# Allegro board BRD_05101_01_rev_b01_aa.brd (continued)
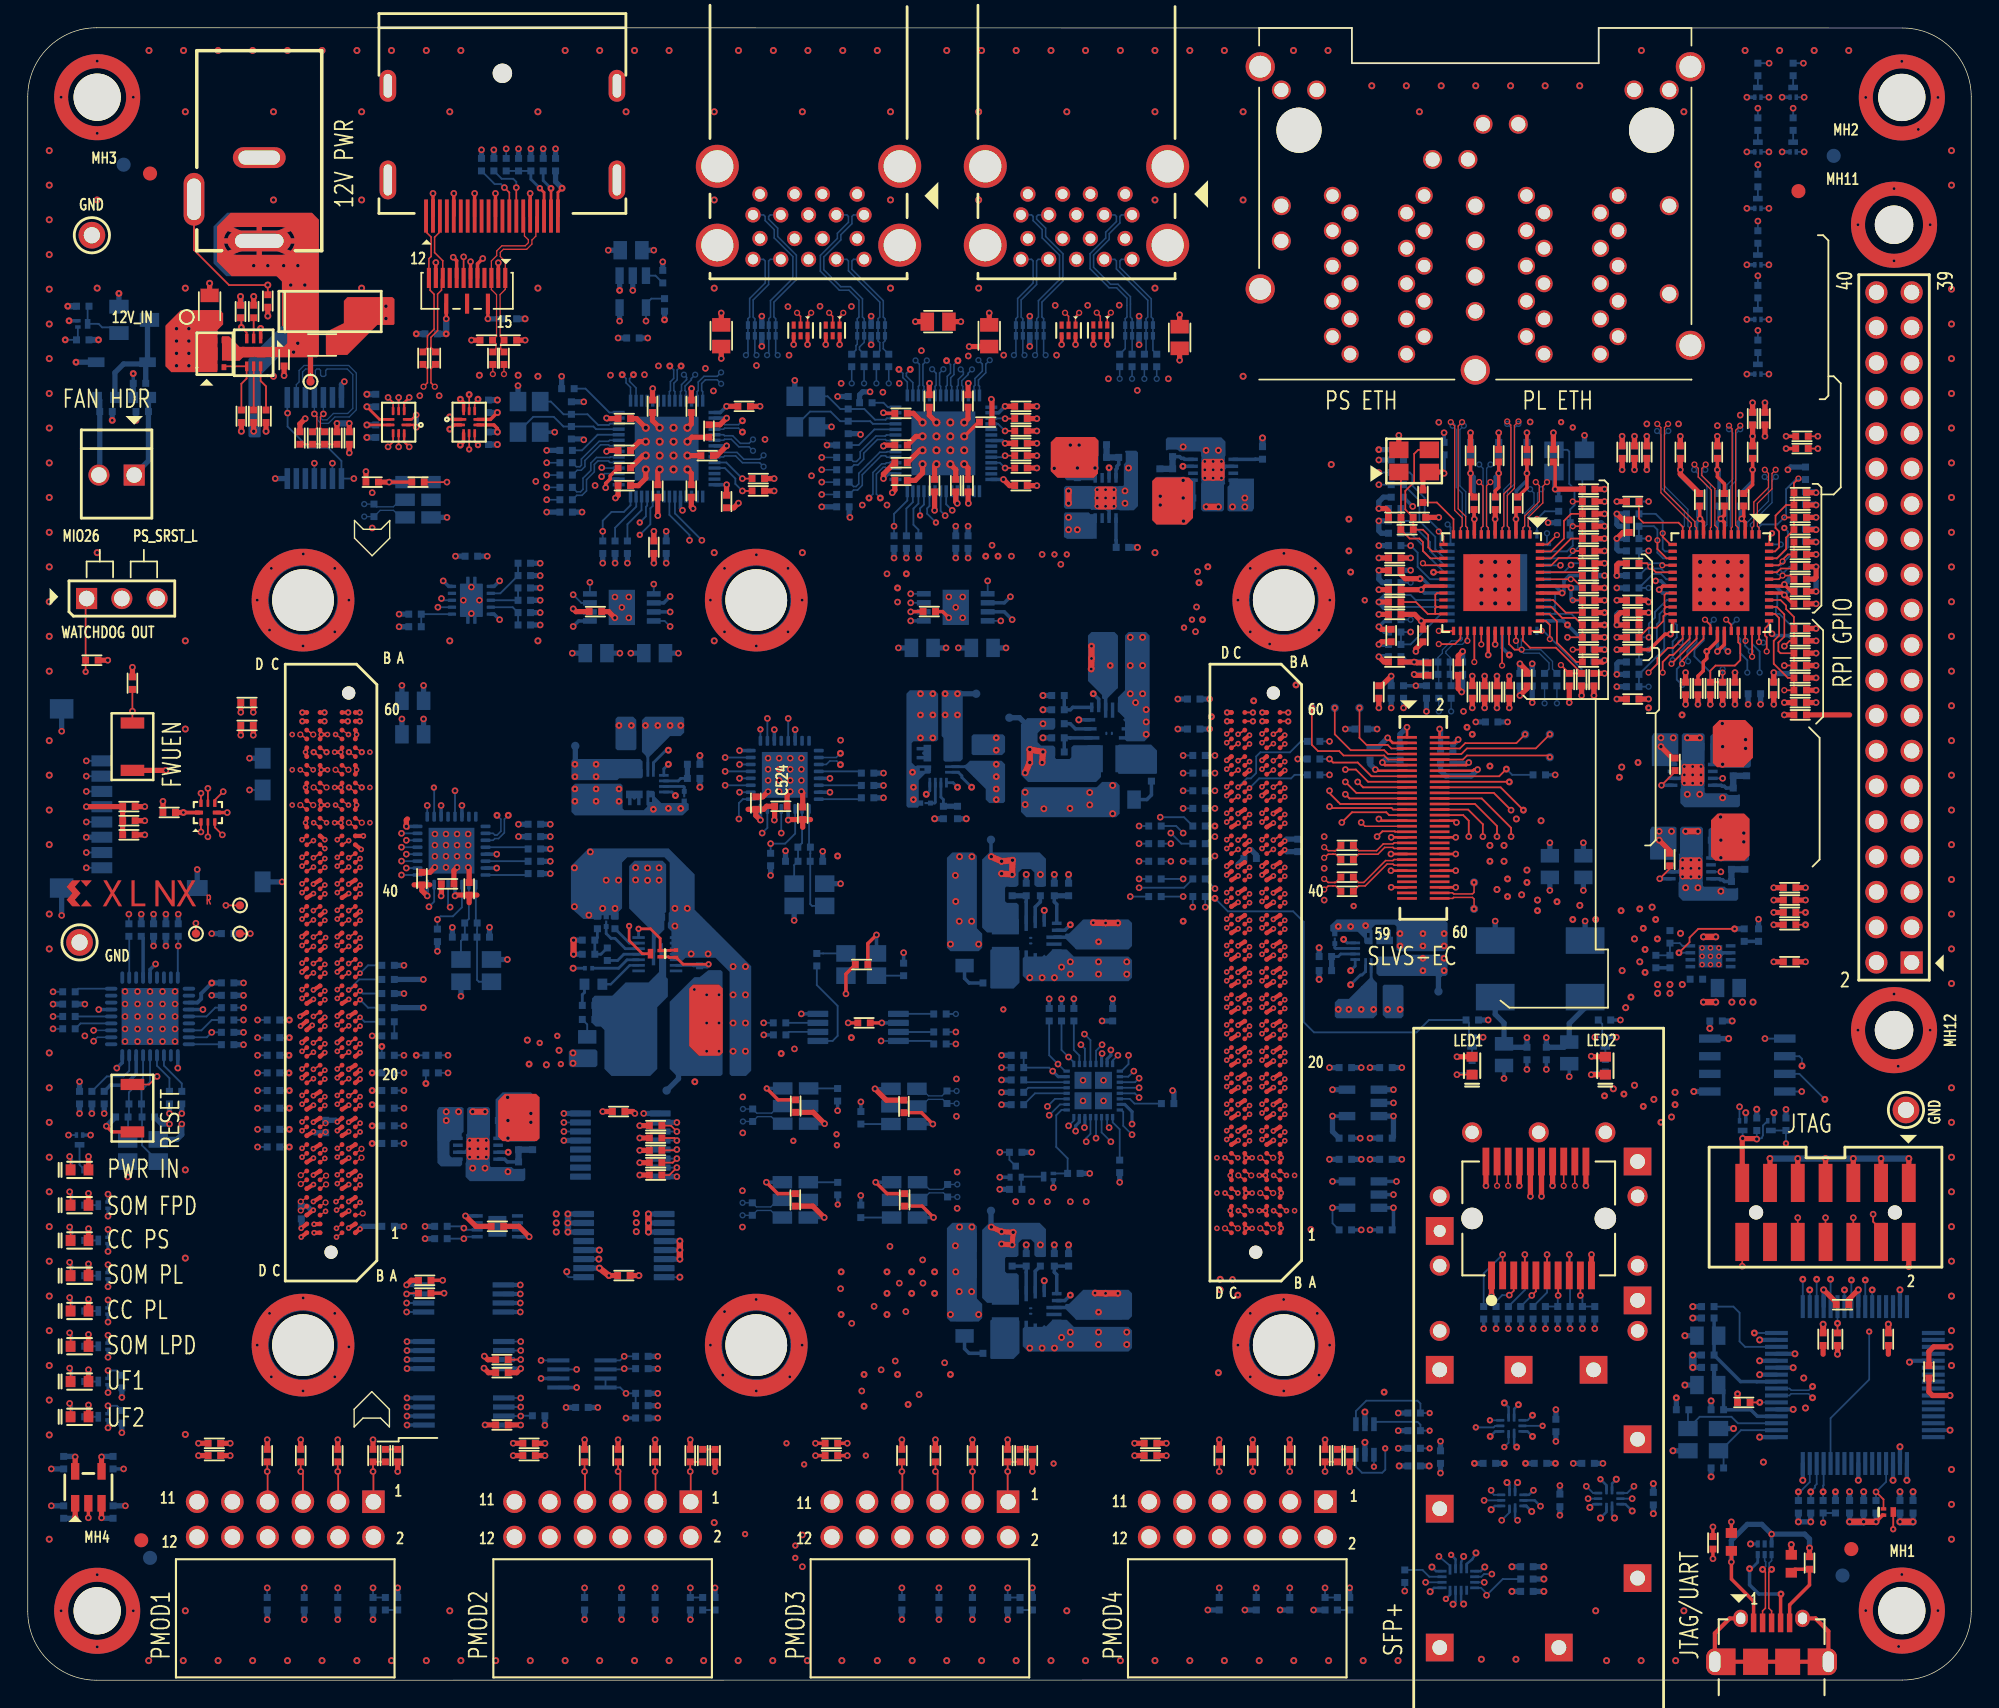
[diagram p0: board, top side]
## Routing (per net, layer and track width the routed paths; a pad name or vN(x,y) marks a point on that pad's centre or on a via; arc(x,y) is an arc through that point) (continued)
  BOTTOM w0.132: U79.28 123.22,75.12 123.36,74.98 123.36,73.96 123.87,73.45 v4(123.87,72.56)
HPA02N: length 180.2
  TOP w0.094: JA1.D5 v3(19.67,34.47)
  L03_SIG w0.102: v2(60.24,19.73) 50.59,19.73 44.93,25.4 38.45,25.4 37.89,25.95 25.83,25.95 22.37,29.41 20.82,29.41 18.67,31.57 18.67,33.91 19.23,34.47 v3(19.67,34.47)
  L12_SIG w0.102: v2(60.24,19.73) 60.24,19.1 62.72,16.62 74.09,16.62 75.17,15.54 95.68,15.54 97.58,17.45 99.49,17.45 100.76,18.72 101.14,18.72 106.35,23.92 109.65,23.92 110.66,24.94 110.66,25.83 111.3,26.46 113.08,26.46 114.98,28.37 116.92,28.37 126.16,37.61 126.16,39.36 127.17,40.38 127.17,42.3 127,42.47 126.48,42.47 126.3,42.65 126.3,42.91 126.48,43.08 127,43.08 127.17,43.26 127.17,45.64 127.55,46.02 127.55,57.56 128.32,58.32 128.32,64.59 128.5,64.76 129.59,64.76 129.76,64.94 129.76,65.2 129.59,65.37 128.5,65.37 128.32,65.55 128.32,65.81 128.5,65.98 129.59,65.98 129.76,66.16 129.76,66.42 129.59,66.59 128.5,66.59 128.32,66.77 128.32,67.02 128.5,67.2 129.59,67.2 129.76,67.38 129.76,67.63 129.59,67.81 128.5,67.81 128.32,67.99 128.32,68.24 128.5,68.42 129.59,68.42 129.76,68.6 129.76,68.85 129.59,69.03 128.5,69.03 128.32,69.21 128.32,71.93 125.42,74.82 125.11,74.82 v4(125.01,74.72)
  BOTTOM w0.132: v4(125.01,74.72) 124.72,75.02 U79.25
HPA02P: length 182
  TOP w0.094: JA1.D4 v3(19.67,33.83)
  L03_SIG w0.102: v2(62.66,22.02) 61.67,23.01 58.8,23.01 56.16,20.37 50.85,20.37 45.23,25.98 39.14,25.98 35.86,29.26 23.41,29.26 22.86,29.82 21.08,29.82 19.22,31.67 19.22,33.39 v3(19.67,33.83)
  L12_SIG w0.102: v4(124.76,72.56) 124.76,71.93 125.32,71.37 125.32,69.72 126.28,68.75 126.28,68.28 126.08,68.08 125.66,68.08 125.46,67.87 125.46,67.54 125.66,67.34 126.08,67.34 126.28,67.14 126.28,66.81 126.08,66.6 125.66,66.6 125.46,66.4 125.46,66.07 125.66,65.87 126.08,65.87 126.28,65.67 126.28,65.33 126.08,65.13 125.66,65.13 125.46,64.93 125.46,64.6 125.66,64.4 126.08,64.4 126.28,64.19 126.28,63.86 126.08,63.66 125.66,63.66 125.46,63.46 125.46,63.13 125.66,62.92 126.08,62.92 126.28,62.72 126.28,62.39 126.08,62.19 125.66,62.19 125.46,61.98 125.46,61.65 125.66,61.45 126.08,61.45 126.28,61.25 126.28,59.23 125.14,58.09 125.14,48.56 123.36,46.78 123.36,43.73 121.84,42.21 121.84,37 116.2,31.36 114.3,31.36 112.06,29.13 108.89,29.13 106.85,27.1 104.57,27.1 103.42,25.95 103.42,24.81 102.79,24.18 100.25,24.18 94.03,17.95 92.37,17.95 92.19,17.77 92.19,17.47 92.01,17.29 91.76,17.29 91.58,17.47 91.58,17.77 91.4,17.95 89.82,17.95 89.64,17.77 89.64,17.45 89.46,17.27 89.21,17.27 89.03,17.45 89.03,17.77 88.85,17.95 87.64,17.95 87.46,17.77 87.46,17.47 87.28,17.29 87.03,17.29 86.85,17.47 86.85,17.77 86.67,17.95 85.77,17.95 83.74,19.99 83.48,19.99 83.3,19.81 83.3,19.55 83.12,19.38 82.87,19.38 82.69,19.55 82.69,19.81 82.51,19.99 82.26,19.99 82.08,19.81 82.08,19.55 81.9,19.38 81.65,19.38 81.47,19.55 81.47,19.81 81.29,19.99 81.04,19.99 80.86,19.81 80.86,19.55 80.69,19.38 80.43,19.38 80.25,19.55 80.25,19.81 80.08,19.99 79.82,19.99 79.64,19.81 79.64,19.55 79.47,19.38 79.21,19.38 79.03,19.55 79.03,19.81 78.86,19.99 78.6,19.99 78.43,19.81 78.43,19.55 78.25,19.38 77.99,19.38 77.82,19.55 77.82,19.81 77.64,19.99 77.38,19.99 77.21,19.81 77.21,19.55 77.03,19.38 76.78,19.38 76.6,19.55 76.6,19.81 76.42,19.99 76.17,19.99 75.99,19.81 75.99,19.55 75.81,19.38 75.56,19.38 75.38,19.55 75.38,19.81 75.2,19.99 74.95,19.99 74.77,19.81 74.77,19.55 74.59,19.38 74.34,19.38 74.16,19.55 74.16,19.81 73.98,19.99 68.85,19.99 68.67,19.81 68.67,19.65 68.57,19.55 68.16,19.55 68.06,19.65 68.06,19.81 67.88,19.99 67.63,19.99 67.45,19.81 67.45,19.55 67.27,19.38 67.02,19.38 66.84,19.55 66.84,19.81 66.66,19.99 66.41,19.99 66.23,19.81 66.23,19.55 66.05,19.38 65.8,19.38 65.62,19.55 65.62,19.81 64.4,21.03 63.59,21.03 63.05,20.48 62.8,20.48 62.62,20.66 62.62,20.91 63.06,21.36 63.06,21.61 v2(62.66,22.02)
  BOTTOM w0.132: U79.26 124.22,74.63 124.76,74.09 v4(124.76,72.56)
HPA03N: length 181.2
  TOP w0.094: JA1.C7 v3(21.49,36.34)
  L03_SIG w0.102: v2(61.9,29.41) 58.49,32.81 52.54,32.81 52,33.35 50.65,33.35 50.11,32.81 46.15,32.81 44.88,31.54 42.97,31.54 39.49,35.02 27.17,35.02 24.99,37.21 21.92,37.21 21.49,36.77 v3(21.49,36.34)
  L12_SIG w0.102: v4(126.16,79.79) 125.38,79.02 124.94,79.02 124.76,79.19 124.76,79.34 124.58,79.52 124.33,79.52 124.15,79.34 124.15,79.19 123.97,79.02 120.27,79.02 119.07,77.82 119.07,76.65 117.52,75.1 117.52,74.34 116.25,73.07 116.25,69.01 112.06,64.82 112.06,61.13 112.76,60.44 112.76,58.87 112.56,58.67 112.14,58.67 111.93,58.46 111.93,58.13 112.14,57.93 112.56,57.93 112.76,57.73 112.76,55.74 113.58,54.91 113.58,53.65 113.16,53.22 112.4,53.22 111.25,54.38 111,54.38 110.82,54.2 110.82,53.95 111.97,52.79 111.97,52.54 111.8,52.36 111.54,52.36 110.39,53.52 110.13,53.52 109.95,53.34 109.95,53.08 111.11,51.93 111.11,51.68 110.93,51.5 110.68,51.5 109.52,52.65 109.27,52.65 109.09,52.48 109.09,52.22 110.25,51.07 110.25,50.81 109.71,50.27 109.42,50.27 109.07,50.63 108.93,50.63 108.66,50.36 108.66,50.21 109.03,49.84 109.03,49.59 106.85,47.42 106.85,45.96 107.83,44.98 107.83,44.75 107.45,44.37 107.3,44.37 106.08,45.59 105.79,45.59 105.56,45.36 105.56,45.07 106.29,44.34 106.29,44.06 106.05,43.82 105.77,43.82 105.04,44.55 104.75,44.55 104.52,44.32 104.52,44.03 104.86,43.68 104.86,43.4 103.17,41.7 102.28,41.7 97.14,36.56 97.14,35.2 97.04,35.1 96.41,35.1 96.31,35.2 96.31,36.62 96.06,36.88 95.68,36.88 95.42,36.62 95.42,33.45 93.14,31.16 92.65,31.16 92.48,30.98 92.48,30.04 92.3,29.87 92.04,29.87 91.87,30.04 91.87,30.98 91.69,31.16 91.44,31.16 91.26,30.98 91.26,30.04 91.08,29.87 90.83,29.87 90.65,30.04 90.65,30.98 90.47,31.16 90.22,31.16 88.95,29.89 86.73,29.89 86.49,30.13 86.49,30.78 86.31,30.96 86.06,30.96 85.88,30.78 85.88,30.13 85.71,29.95 69.84,29.95 69.19,30.6 68.47,30.6 68.29,30.78 68.29,31.24 68.12,31.42 67.86,31.42 67.68,31.24 67.68,30.78 67.51,30.6 65.7,30.6 65.52,30.78 65.52,31.14 65.34,31.31 65.09,31.31 64.91,31.14 64.91,30.84 64.81,30.73 64.4,30.73 64.3,30.84 64.3,31.14 64.12,31.31 63.87,31.31 63.69,31.14 63.69,30.78 63.52,30.6 63.09,30.6 v2(61.9,29.41)
  BOTTOM w0.132: R353.2 126.92,80.18 126.53,79.79 v4(126.16,79.79) U79.17
HPA03P: length 180.1
  TOP w0.094: JA1.C6 v3(21.49,35.7)
  L03_SIG w0.102: v3(21.49,35.7) 21.49,35.24 21.66,35.07 22.7,35.07 22.91,34.86 24.29,34.86 27.86,31.29 37,31.29 37.77,30.53 38.53,30.53 40.56,28.49 47.54,28.49 49.7,30.65 57.35,30.65 v2(58.59,29.41)
  L12_SIG w0.102: v4(127.17,81.07) 126.54,80.44 124.58,80.44 124.2,80.06 120.14,80.06 118.2,78.12 118.2,77.51 118.49,77.21 118.49,76.96 118.31,76.78 118.06,76.78 117.77,77.08 117.51,77.08 117.34,76.9 117.34,76.51 115.62,74.79 115.62,69.26 111.3,64.94 111.3,59.99 111.1,59.79 109.85,59.79 109.65,59.58 109.65,59.25 109.85,59.05 111.1,59.05 111.3,58.85 111.3,58.52 111.1,58.31 109.85,58.31 109.65,58.11 109.65,57.78 109.85,57.58 111.1,57.58 111.3,57.37 111.3,55.55 108.5,52.75 108.5,51.43 106.09,49.02 106.09,46.78 103.87,44.56 103.87,43.42 103.04,42.59 101.11,42.59 100.44,43.26 100.16,43.26 98.88,41.99 98.88,41.7 99.8,40.78 99.8,40.49 98.82,39.51 98.53,39.51 97.55,40.49 97.26,40.49 97.03,40.26 97.03,39.97 98.01,38.99 98.01,38.7 97.58,38.27 95.68,38.27 94.66,37.26 94.66,33.7 93.98,33.02 93.69,33.02 92.58,34.13 92.3,34.13 92.06,33.9 92.06,33.61 93.17,32.5 93.17,32.21 92.88,31.92 86.15,31.92 85.01,30.78 83.79,30.78 83.61,30.96 83.61,32.05 83.43,32.23 83.18,32.23 83,32.05 83,30.96 82.82,30.78 82.57,30.78 82.39,30.96 82.39,32.05 82.21,32.23 81.96,32.23 81.78,32.05 81.78,30.96 81.6,30.78 81.35,30.78 81.17,30.96 81.17,32.05 80.99,32.23 80.74,32.23 80.56,32.05 80.56,30.96 80.38,30.78 80.13,30.78 79.95,30.96 79.95,32.05 79.77,32.23 79.52,32.23 79.34,32.05 79.34,30.96 79.17,30.78 78.91,30.78 78.73,30.96 78.73,32.05 78.56,32.23 78.3,32.23 78.12,32.05 78.12,30.96 77.95,30.78 77.69,30.78 77.51,30.96 77.51,32.05 77.34,32.23 77.08,32.23 76.91,32.05 76.91,30.96 76.73,30.78 70.11,30.78 69.09,31.8 60.98,31.8 v2(58.59,29.41)
  BOTTOM w0.132: v4(127.17,81.07) 127.05,81.07 126.26,80.29 U79.16
HPA04N: length 179.7
  TOP w0.094: JA1.B5 v1(22.21,34.47)
  L10_SIG w0.102: v2(69.01,80.95) 67.9,79.83 66.24,79.83 64.91,78.5 64.91,74.69 62.25,72.02 62.25,59.71 53.8,51.26 53.8,46.47 53.13,45.8 53.13,44.86 52.01,43.75 52.01,38.64 48.95,35.58 38.2,35.58 33.4,30.78 27.61,30.78 24.94,33.45 24.94,33.96 23.92,34.97 22.71,34.97 v1(22.21,34.47)
  L12_SIG w0.102: v2(69.01,80.95) 70.74,79.22 82.57,79.22 85.57,82.22 100,82.22 100.76,81.45 110.79,81.45 112.01,82.67 114.78,82.67 115.24,82.22 v5(116.76,82.22) 118.67,84.12 125.2,84.12 127.81,86.73 127.81,109.9 v5(127.97,110.06)
  BOTTOM w0.132: U79.46 117.8,80.79 117.39,81.2 117.39,82.85 117.14,83.1 R358.2 R367.1 v5(116.76,82.22) ; Q27.1 v5(127.97,110.06)
HPA04P: length 166.9
  TOP w0.094: JA1.B4 v1(22.25,33.86)
  L10_SIG w0.102: v1(22.25,33.86) 22.91,33.19 24.3,33.19 27.22,30.27 33.65,30.27 38.45,35.07 49.46,35.07 52.72,38.33 52.72,43.71 53.77,44.76 53.77,45.55 54.54,46.32 54.54,51.24 62.78,59.48 62.78,71.8 65.45,74.47 65.45,78.28 66.47,79.29 68.25,79.29 v2(69.9,80.95)
  L12_SIG w0.102: v2(69.9,80.95) 71.04,79.8 82.22,79.8 85.29,82.88 100.6,82.88 101.49,81.99 110.57,81.99 112.14,83.56 115.31,83.56 116.63,84.88 v5(116.76,84.88) 116.89,84.76 125.12,84.76 127.3,86.94 127.3,96.12 v5(125.43,97.99)
  BOTTOM w0.132: U79.47 117.94,81.29 117.78,81.45 117.78,83.49 117.27,83.99 R359.2 R368.1 v5(116.76,84.88) ; Q28.1 v5(125.43,97.99)
HPA05_CCN: length 72
  TOP w0.094: JA1.B2 v1(22.24,32.55)
  L03_SIG w0.102: v2(54.28,45.13) 54.66,44.75 55.67,44.75 56.18,45.26 57.58,45.26 58.39,44.45 62.71,44.45 62.95,44.69 68.74,44.69 69.57,45.51 75.23,45.51 76.63,44.12 79.42,44.12 v5(79.68,43.86)
  L10_SIG w0.102: v1(22.24,32.55) 25.02,29.76 37.56,29.76 42.38,34.59 49.82,34.59 53.77,38.54 53.77,42.64 54.28,43.15 v2(54.28,45.13)
  BOTTOM w0.132: v5(79.68,43.86) 79.28,43.46 U19.2
HPA05_CCP: length 135.7
  TOP w0.094: JA1.B1 v1(22.24,31.91)
  L03_SIG w0.102: v5(116.76,81.33) 114.98,81.33 114.52,80.87 113,80.87 112.19,80.06 112.19,73.07 110.47,71.36 110.47,68.25 108.5,66.28 108.5,65.2 104.57,61.26 91.74,61.26 91.41,60.93 89.51,60.93 89.33,60.75 89.33,53.89 88.95,53.51 86.15,53.51 79.68,47.04 68.02,47.04 67.92,47.14 65.17,47.14 64.7,46.67 59.72,46.67 v2(59.33,46.27)
  L10_SIG w0.102: v1(22.24,31.91) 24.89,29.26 37.77,29.26 42.59,34.08 52.5,34.08 56.31,37.89 56.31,43.48 59.1,46.27 v2(59.33,46.27)
  BOTTOM w0.132: U79.45 117.92,80.29 117.78,80.44 R357.2 R366.1 v5(116.76,81.33)
HPA06N: length 186.4
  TOP w0.094: JA1.A4 v1(23.94,34.4)
  L03_SIG w0.102: v2(61.9,26.34) 59.49,26.34 57.72,28.1 57.72,28.35 57.96,28.59 57.96,28.85 57.78,29.02 57.53,29.02 57.29,28.78 57.04,28.78 56.86,28.96 56.86,29.22 57.1,29.46 57.1,29.71 56.92,29.89 56.67,29.89 56.43,29.65 56.18,29.65 55.81,30.02 49.96,30.02 47.8,27.86 39.67,27.86 36.75,30.78 27.56,30.78 v1(23.94,34.4)
  L12_SIG w0.102: v4(122.09,72.82) 123.49,71.42 123.49,68.88 124.25,68.12 124.25,60.01 123.42,59.17 123.42,51.54 121.14,49.26 121.14,47.73 120.44,47.04 120.44,45.81 120.62,45.63 121.33,45.63 121.51,45.45 121.51,45.2 121.33,45.02 120.62,45.02 120.44,44.84 120.44,44.59 120.62,44.41 121.33,44.41 121.51,44.23 121.51,43.98 121.33,43.8 120.62,43.8 120.44,43.62 120.44,39.54 116.89,35.99 113.64,35.99 113.37,36.25 113.09,36.25 112.85,36.02 112.85,35.73 113.33,35.26 113.33,34.97 112.8,34.44 112.51,34.44 111.97,34.98 111.69,34.98 111.45,34.74 111.45,34.46 111.99,33.92 111.99,33.63 111.76,33.4 111.47,33.4 110.93,33.94 110.64,33.94 110.41,33.7 110.41,33.41 111.55,32.27 111.55,31.99 111.32,31.75 111.03,31.75 109.14,33.64 108.85,33.64 108.62,33.41 108.62,33.12 109.91,31.84 109.91,31.55 109.65,31.29 109.27,31.29 108.18,32.37 107.94,32.37 107.23,31.67 107.23,30.4 105.77,28.94 104.25,28.94 102.41,27.1 101.01,27.1 93.14,19.22 87.17,19.22 86.6,19.79 86.35,19.79 86.06,19.5 85.81,19.5 85.63,19.67 85.63,19.93 85.92,20.22 85.92,20.47 85.74,20.65 85.49,20.65 85.2,20.36 84.94,20.36 84.76,20.54 84.76,20.79 85.06,21.08 85.06,21.33 84.86,21.53 83.31,21.53 83.13,21.36 83.13,21.18 82.96,21 82.7,21 82.52,21.18 82.52,21.36 82.35,21.53 82.09,21.53 81.92,21.36 81.92,21.18 81.74,21 81.48,21 81.31,21.18 81.31,21.36 81.13,21.53 80.87,21.53 80.7,21.36 80.7,21.18 80.52,21 80.27,21 80.09,21.18 80.09,21.36 79.91,21.53 79.66,21.53 79.48,21.36 79.48,21.18 79.3,21 79.05,21 78.87,21.18 78.87,21.36 78.69,21.53 78.44,21.53 78.26,21.36 78.26,21.18 78.08,21 77.83,21 77.65,21.18 77.65,21.36 77.47,21.53 77.22,21.53 77.04,21.36 77.04,21.18 76.86,21 76.61,21 76.43,21.18 76.43,21.36 76.25,21.53 76,21.53 75.82,21.36 75.82,21.18 75.64,21 75.39,21 75.21,21.18 75.21,21.36 75.03,21.53 74.78,21.53 74.6,21.36 74.6,21.18 74.42,21 74.17,21 73.99,21.18 73.99,21.36 73.81,21.53 73.56,21.53 73.38,21.36 73.38,21.18 73.16,20.96 72.99,20.96 72.77,21.18 72.77,21.36 72.59,21.53 72.34,21.53 72.16,21.36 72.16,21.18 71.98,21 71.73,21 71.55,21.18 71.55,21.36 71.37,21.53 71.12,21.53 70.94,21.36 70.94,21.18 70.76,21 70.51,21 70.33,21.18 70.33,21.36 70.15,21.53 69.9,21.53 69.72,21.36 69.72,21.18 69.54,21 69.29,21 69.11,21.18 69.11,21.36 68.94,21.53 68.68,21.53 68.5,21.36 68.5,21.18 68.33,21 68.07,21 67.89,21.18 67.89,21.36 67.72,21.53 67.46,21.53 67.28,21.36 67.28,21.18 67.11,21 66.85,21 66.68,21.18 66.68,21.36 66.5,21.53 65.68,21.53 62.78,24.43 62.53,24.43 62.27,24.17 62.02,24.17 61.84,24.35 61.84,24.6 62.1,24.86 62.1,25.12 61.9,25.32 v2(61.9,26.34)
  BOTTOM w0.132: U79.33 120.72,74.87 120.06,74.21 120.06,73.74 121.2,72.59 R362.2 R372.1 v4(122.09,72.82)
HPA06P_CLK: length 185.8
  TOP w0.094: JA1.A3 v3(24.13,33.62)
  L03_SIG w0.102: v3(24.13,33.62) 27.48,30.27 36.5,30.27 39.54,27.22 48.43,27.22 50.47,29.26 55.67,29.26 v2(58.59,26.34)
  L12_SIG w0.102: v4(123.11,76.37) 123.42,76.06 123.42,75.57 123.25,75.39 121.93,75.39 121.75,75.22 121.75,74.96 121.93,74.78 123.25,74.78 123.42,74.61 123.42,73.88 123.25,73.71 122.84,73.71 122.67,73.53 122.67,73.27 122.84,73.1 123.25,73.1 123.42,72.92 123.42,72.25 124.35,71.32 124.35,69.17 124.89,68.64 124.89,60.84 125.07,60.66 125.51,60.66 125.69,60.48 125.69,60.23 125.51,60.05 125.07,60.05 124.89,59.87 124.89,59.36 124.13,58.59 124.13,50.85 123.88,50.6 123.88,50.35 124.42,49.8 124.42,49.55 124.24,49.37 123.99,49.37 123.45,49.92 123.19,49.92 122.09,48.81 122.09,45.42 122.27,45.24 122.55,45.24 122.72,45.07 122.72,44.81 122.55,44.63 122.27,44.63 122.09,44.46 122.09,43.73 121.08,42.72 121.08,37.04 120.63,36.6 120.38,36.6 119.63,37.34 119.38,37.34 119.2,37.16 119.2,36.91 119.95,36.17 119.95,35.91 119.77,35.74 119.52,35.74 118.77,36.48 118.52,36.48 118.34,36.3 118.34,36.05 119.09,35.3 119.09,35.05 118.91,34.87 118.65,34.87 117.91,35.62 117.66,35.62 117.48,35.44 117.48,35.19 118.22,34.44 118.22,34.19 118.05,34.02 117.8,34.02 117.47,34.35 117.22,34.35 117.04,34.17 117.04,33.92 117.37,33.59 117.37,33.34 116.95,32.92 116.67,32.92 115.89,33.69 115.61,33.69 115.37,33.46 115.37,33.17 116.14,32.4 116.14,32.11 115.98,31.95 112.31,31.95 111.93,31.57 111.93,30.27 111.43,29.76 109.23,29.76 109.05,29.94 109.05,30.35 108.87,30.53 108.62,30.53 108.44,30.35 108.44,29.94 108.26,29.76 107.87,29.76 107.57,29.46 107.57,29.21 107.77,29 107.77,28.75 107.59,28.57 107.34,28.57 107.13,28.78 106.88,28.78 106.35,28.24 104.69,28.24 102.85,26.4 101.33,26.4 93.52,18.59 86,18.59 84.1,20.49 65.83,20.49 62.78,23.54 61.39,23.54 60.57,24.36 60.31,24.36 58.85,22.9 58.55,22.9 58.42,23.03 58.42,23.33 59.88,24.79 59.88,25.05 59.7,25.22 59.45,25.22 57.99,23.76 57.74,23.76 57.56,23.94 57.56,24.19 58.59,25.23 v2(58.59,26.34)
  BOTTOM w0.132: v4(123.11,76.37) 122.72,75.98 U79.29
HPA07N: length 185.9
  TOP w0.094: JA1.B8 v1(22.3,36.4)
  L03_SIG w0.102: v1(22.3,36.4) 22.3,36.77 22.45,36.92 24.39,36.92 26.87,34.44 39.19,34.44 42.97,30.65 45,30.65 46.41,32.06 58.33,32.06 61.64,28.75 61.9,28.75 62.78,27.86 v2(63.67,27.86)
  L12_SIG w0.102: v4(119.17,71.67) 119.88,70.96 119.88,69.31 120.01,69.19 120.01,67.56 118.92,66.47 118.92,60.37 118.41,59.86 118.41,51.86 116,49.45 116,48.51 116.2,48.31 117.32,48.31 117.52,48.11 117.52,47.78 117.32,47.58 115.57,47.58 115.36,47.37 115.36,47.04 115.57,46.84 117.32,46.84 117.52,46.64 117.52,46.31 117.32,46.1 116.2,46.1 116,45.9 116,45.13 115.7,44.84 115.42,44.84 114.56,45.69 114.27,45.69 114.04,45.46 114.04,45.17 114.77,44.44 114.77,43.91 108.77,37.9 108.48,37.9 107.69,38.69 107.4,38.69 107.17,38.46 107.17,38.17 107.96,37.38 107.96,37.09 107.73,36.86 107.44,36.86 106.65,37.65 106.36,37.65 106.13,37.42 106.13,37.13 106.92,36.34 106.92,36.05 105.71,34.84 103.42,34.84 102.28,33.7 100.76,33.7 99.87,32.81 99.87,31.16 98.19,29.48 98.19,29.23 99.15,28.26 99.15,28.01 98.98,27.83 98.72,27.83 97.76,28.8 97.5,28.8 97.33,28.62 97.33,28.37 98.29,27.4 98.29,27.15 98.11,26.97 97.86,26.97 96.89,27.93 96.64,27.93 96.57,27.86 95.98,27.86 95.8,27.68 95.8,25.98 95.63,25.8 95.37,25.8 95.19,25.98 95.19,27.68 95.02,27.86 94.76,27.86 94.58,27.68 94.58,25.98 94.41,25.8 94.15,25.8 93.98,25.98 93.98,27.68 93.8,27.86 88.69,27.86 86.66,25.83 85.44,25.83 85.24,25.62 85.24,23.74 85.04,23.54 84.71,23.54 84.5,23.74 84.5,25.62 84.3,25.83 83.97,25.83 83.77,25.62 83.77,23.74 83.56,23.54 83.23,23.54 83.03,23.74 83.03,25.62 82.83,25.83 82.5,25.83 82.29,25.62 82.29,23.74 82.09,23.54 81.76,23.54 81.56,23.74 81.56,25.62 81.35,25.83 80.78,25.83 80.6,25.65 80.6,25.17 80.42,24.99 80.17,24.99 79.99,25.17 79.99,25.65 79.81,25.83 76.37,25.83 75.74,26.46 74.47,26.46 73.29,25.28 72.09,25.28 71.91,25.1 71.91,24.56 71.73,24.38 71.48,24.38 71.3,24.56 71.3,25.1 71.12,25.28 66.25,25.28 v2(63.67,27.86)
  BOTTOM w0.132: v4(119.17,71.67) 118.79,72.06 118.79,72.82 119.05,73.07 119.05,74.09 119.72,74.76 U79.35
HPA07P: length 186.4
  TOP w0.094: JA1.B7 v1(22.3,35.76)
  L03_SIG w0.102: v2(61.9,27.86) 61.13,27.86 57.73,31.26 48.53,31.26 47.16,29.89 42.92,29.89 41.4,31.42 40.43,31.42 40.05,31.03 37.87,31.03 35.05,33.85 26.54,33.85 25.23,35.16 23.09,35.16 22.49,35.76 v1(22.3,35.76)
  L12_SIG w0.102: v4(119.6,73.38) 120.39,73.38 120.75,73.02 120.75,69.85 121.2,69.39 121.2,55.23 119.93,53.96 119.93,49.83 118.16,48.05 118.16,44.37 114.73,40.94 113.58,40.94 112.92,40.28 112.67,40.28 112.53,40.42 112.28,40.42 112.1,40.24 112.1,39.99 112.24,39.85 112.24,39.6 110.42,37.78 110.42,37.53 110.66,37.29 110.66,37.04 110.48,36.86 110.23,36.86 109.99,37.09 109.74,37.09 103.68,31.03 100.88,31.03 99.74,29.89 99.74,27.61 98.25,26.11 97.99,26.11 96.89,27.22 96.63,27.22 96.46,27.04 96.46,26.79 97.56,25.68 97.56,25.43 97.08,24.95 96.83,24.95 96.33,25.44 96.08,25.44 95.9,25.26 95.9,25.01 96.4,24.51 96.4,24.26 96.22,24.08 95.97,24.08 95.47,24.58 95.22,24.58 95.04,24.4 95.04,24.15 95.54,23.65 95.54,23.4 92.5,20.37 88.57,20.37 87.12,21.81 87.12,22.06 87.45,22.39 87.45,22.65 87.28,22.82 87.02,22.82 86.69,22.49 86.44,22.49 86.15,22.78 81.03,22.78 80.83,22.98 80.83,24.1 80.63,24.3 80.3,24.3 80.09,24.1 80.09,22.98 79.89,22.78 78.75,22.78 78.54,22.98 78.54,24.99 78.34,25.19 78.01,25.19 77.81,24.99 77.81,22.98 77.6,22.78 76.64,22.78 76.44,22.98 76.44,24.99 76.23,25.19 75.9,25.19 75.7,24.99 75.7,22.98 75.5,22.78 74.47,22.78 74.3,22.96 74.3,23.21 74.12,23.39 73.86,23.39 73.69,23.21 73.69,22.96 73.51,22.78 73.26,22.78 73.08,22.96 73.08,23.21 72.9,23.39 72.65,23.39 72.47,23.21 72.47,22.96 72.29,22.78 72.04,22.78 71.86,22.96 71.86,23.21 71.68,23.39 71.43,23.39 71.25,23.21 71.25,22.96 71.07,22.78 70.46,22.78 70.36,22.88 70.36,24.48 70.15,24.68 69.82,24.68 69.62,24.48 69.62,23.62 69.42,23.41 69.09,23.41 68.88,23.62 68.88,24.48 68.68,24.68 68.35,24.68 68.15,24.48 68.15,22.79 67.94,22.59 67.61,22.59 67.41,22.79 67.41,24.48 67.21,24.68 66.88,24.68 66.67,24.48 66.67,23.62 66.47,23.41 65.45,23.41 65.2,23.67 65.2,24.08 65.67,24.56 65.67,24.85 65.44,25.08 65.15,25.08 64.36,24.29 64.07,24.29 63.84,24.52 63.84,24.81 64.63,25.6 64.63,25.89 64.4,26.12 64.11,26.12 63.32,25.33 63.03,25.33 62.78,25.57 62.78,26.97 v2(61.9,27.86)
  BOTTOM w0.132: U79.34 120.22,74.75 119.55,74.09 119.55,73.43 v4(119.6,73.38)
HPA08N: length 185.6
  TOP w0.094: JA1.C10 v1(21.4,38.21)
  L03_SIG w0.102: v2(65.32,29.41) 64.45,29.41 63.65,30.21 63.65,30.57 63.78,30.7 63.78,30.95 63.6,31.13 63.35,31.13 63.22,31 62.97,31 62.79,31.18 62.79,31.46 58.77,35.48 54.3,35.48 53.53,34.72 42.15,34.72 41.66,35.21 41.66,35.47 42.05,35.87 42.05,36.12 41.88,36.3 41.62,36.3 41.22,35.9 40.97,35.9 40.68,36.19 40.3,36.19 40.12,36.37 40.12,36.72 39.94,36.9 39.69,36.9 39.51,36.72 39.51,36.37 39.33,36.19 39.08,36.19 38.9,36.37 38.9,36.72 38.72,36.9 38.47,36.9 38.29,36.72 38.29,36.37 38.11,36.19 37.86,36.19 37.68,36.37 37.68,36.72 37.5,36.9 37.25,36.9 37.07,36.72 37.07,36.37 36.89,36.19 36.64,36.19 36.46,36.37 36.46,37.43 36.28,37.61 36.03,37.61 35.85,37.43 35.85,36.37 35.67,36.19 31.13,36.19 30.95,36.37 30.95,37 30.77,37.18 30.52,37.18 30.34,37 30.34,36.37 30.16,36.19 27.91,36.19 24.81,39.29 24.3,39.29 23.97,38.96 21.66,38.96 21.4,38.7 v1(21.4,38.21)
  L12_SIG w0.102: v2(65.32,29.41) 65.93,30.02 67.23,30.02 67.41,29.84 67.41,29.54 67.59,29.36 67.84,29.36 68.02,29.54 68.02,29.84 68.2,30.02 68.63,30.02 69.26,29.38 94.03,29.38 94.41,29.76 94.41,30.13 94.23,30.31 93.72,30.31 93.54,30.48 93.54,30.74 93.72,30.92 94.23,30.92 94.41,31.09 94.41,31.42 95.93,32.94 97.46,32.94 97.71,33.19 97.71,33.54 97.51,33.74 96.26,33.74 96.06,33.95 96.06,34.28 96.26,34.48 97.51,34.48 97.71,34.68 97.71,35.99 98.34,36.62 99.11,36.62 100,37.52 100,37.8 99.78,38.02 99.78,38.31 100.01,38.54 100.3,38.54 100.52,38.32 100.81,38.32 101.04,38.56 101.04,38.84 100.82,39.07 100.82,39.35 101.05,39.59 101.34,39.59 101.56,39.37 101.85,39.37 102.08,39.6 102.08,39.89 101.86,40.11 101.86,40.39 102.1,40.63 102.38,40.63 102.6,40.41 102.96,40.41 103.14,40.59 103.14,41.17 103.32,41.35 103.57,41.35 103.75,41.17 103.75,40.59 103.93,40.41 104.18,40.41 104.36,40.59 104.36,41.17 104.54,41.35 104.79,41.35 104.97,41.17 104.97,40.59 105.15,40.41 105.56,40.41 105.58,40.43 106.09,40.43 106.27,40.61 106.27,40.87 104.79,42.35 104.79,42.56 104.96,42.73 105.27,42.73 106.7,41.3 106.96,41.3 107.14,41.48 107.14,41.73 106.74,42.12 106.74,42.38 106.92,42.55 107.17,42.55 107.57,42.16 107.82,42.16 108,42.34 108,42.59 107.6,42.99 107.6,43.24 107.78,43.42 108.03,43.42 108.43,43.02 108.68,43.02 108.89,43.23 108.89,44.37 109.01,44.5 110.37,44.5 110.48,44.6 110.48,45.05 110.37,45.16 108.45,45.16 108.25,45.36 108.25,45.69 108.63,46.08 108.63,46.66 108.76,46.78 109.9,46.78 110.16,47.04 110.16,47.44 109.95,47.64 109.33,47.64 109.23,47.74 109.23,48.28 109.33,48.38 109.95,48.38 110.16,48.58 110.16,49.58 112.7,52.12 113.97,52.12 114.22,52.37 114.22,55.9 114.02,56.1 113.53,56.1 113.33,56.3 113.33,56.63 113.53,56.84 114.02,56.84 114.22,57.04 114.22,57.37 114.02,57.57 113.53,57.57 113.33,57.78 113.33,58.11 113.53,58.31 114.02,58.31 114.22,58.51 114.22,58.84 114.02,59.05 113.53,59.05 113.33,59.25 113.33,59.58 113.53,59.78 114.02,59.78 114.22,59.99 114.22,60.32 114.02,60.52 113.53,60.52 113.33,60.72 113.33,61.05 113.53,61.26 114.09,61.26 114.29,61.45 114.29,61.93 114.15,62.07 112.9,62.07 112.7,62.27 112.7,62.6 112.9,62.81 113.93,62.81 114.13,63.01 114.13,63.34 113.93,63.54 112.9,63.54 112.7,63.75 112.7,64.08 112.9,64.28 113.62,64.28 113.83,64.48 113.83,65.77 117.27,69.21 117.27,71.04 v4(116.76,71.55)
  BOTTOM w0.132: v4(116.76,71.55) R369.1 R360.2 117.89,74.25 117.89,76.59 118.08,76.79 U79.38
HPA08P: length 184.9
  TOP w0.094: JA1.C9 v1(21.4,37.58)
  L03_SIG w0.102: v1(21.4,37.58) 21.85,38.03 21.85,38.55 22,38.69 24.22,38.69 24.91,37.99 25.09,37.99 27.48,35.61 40.18,35.61 41.73,34.05 42.43,34.05 42.61,33.87 42.61,32.58 42.79,32.41 43.04,32.41 43.22,32.58 43.22,33.87 43.4,34.05 46.55,34.05 46.73,33.87 46.73,33.6 46.91,33.42 47.16,33.42 47.34,33.6 47.34,33.87 47.52,34.05 47.77,34.05 47.95,33.87 47.95,33.6 48.13,33.42 48.38,33.42 48.56,33.6 48.56,33.87 48.74,34.05 48.99,34.05 49.17,33.87 49.17,33.6 49.35,33.42 49.6,33.42 49.78,33.6 49.78,33.87 49.96,34.05 52.65,34.05 52.83,33.87 52.83,33.6 53,33.42 53.26,33.42 53.44,33.6 53.44,33.87 53.61,34.05 53.87,34.05 54.05,33.87 54.05,33.6 54.22,33.42 54.48,33.42 54.65,33.6 54.65,33.87 54.83,34.05 55.09,34.05 55.26,33.87 55.26,33.6 55.44,33.42 55.7,33.42 55.87,33.6 55.87,33.87 56.05,34.05 56.6,34.05 56.78,34.23 56.78,34.46 56.96,34.64 57.21,34.64 57.39,34.46 57.39,34.23 57.95,33.67 59.41,33.67 59.95,33.13 59.95,32.88 59.69,32.63 59.69,32.37 59.87,32.2 60.12,32.2 60.38,32.45 60.63,32.45 60.81,32.27 60.81,32.02 60.56,31.76 60.56,31.51 60.73,31.33 60.99,31.33 61.24,31.59 61.49,31.59 61.67,31.41 61.67,31.16 61.42,30.9 61.42,30.65 61.6,30.47 61.85,30.47 62.1,30.73 62.36,30.73 v2(63.67,29.41)
  L12_SIG w0.102: v2(63.67,29.41) 64.49,29.41 64.98,28.91 68.37,28.91 68.54,28.75 72.31,28.75 72.94,28.11 73.96,28.11 74.54,28.69 79.11,28.69 79.31,28.49 79.31,27.3 79.51,27.1 79.84,27.1 80.05,27.3 80.05,28.49 80.25,28.69 80.58,28.69 80.78,28.49 80.78,27.3 80.99,27.1 81.32,27.1 81.52,27.3 81.52,28.49 81.72,28.69 82.05,28.69 82.26,28.49 82.26,27.3 82.46,27.1 82.79,27.1 82.99,27.3 82.99,28.49 83.2,28.69 83.53,28.69 83.73,28.49 83.73,27.3 83.93,27.1 84.26,27.1 84.47,27.3 84.47,28.49 84.67,28.69 85,28.69 85.2,28.49 85.2,27.3 85.41,27.1 86.28,27.1 86.53,27.35 86.53,27.99 87.42,28.88 94.53,28.88 94.99,29.33 95.27,29.33 95.49,29.11 95.78,29.11 96.01,29.34 96.01,29.63 95.16,30.48 95.16,30.77 95.39,31 95.68,31 96.54,30.15 96.82,30.15 97.06,30.38 97.06,30.67 96.84,30.89 96.84,31.18 98.47,32.81 98.47,33.32 99.61,34.46 99.61,36.11 100.5,37 101.21,37 101.38,37.18 101.38,38.07 101.56,38.25 101.82,38.25 101.99,38.07 101.99,37.18 102.17,37 102.43,37 102.6,37.18 102.6,38.21 102.78,38.38 103.03,38.38 103.21,38.2 103.21,37.2 103.41,37 103.68,37 108.29,41.62 108.58,41.62 108.99,41.21 109.28,41.21 109.51,41.44 109.51,41.73 109.1,42.14 109.1,42.43 109.34,42.66 109.62,42.66 110.03,42.25 110.32,42.25 110.55,42.48 110.55,42.77 110.14,43.18 110.14,43.47 111.04,44.37 111.04,45.77 110.87,45.95 110.51,45.95 110.33,46.13 110.33,46.38 110.51,46.56 110.87,46.56 111.04,46.74 111.04,47.16 111.59,47.71 111.59,47.99 110.8,48.79 110.8,49.07 111.03,49.31 111.32,49.31 112.49,48.13 112.78,48.13 113.01,48.37 113.01,48.65 111.84,49.83 111.84,50.11 112.07,50.35 112.36,50.35 113.47,49.24 113.75,49.24 113.99,49.47 113.99,49.76 113.18,50.56 113.18,50.71 113.56,51.08 113.71,51.08 113.88,50.91 114.03,50.91 114.8,51.68 114.8,54.33 115.24,54.76 115.24,64.74 116.53,66.04 116.53,67.38 117.9,68.75 117.9,72.02 117.7,72.22 117.09,72.22 116.89,72.42 116.89,72.75 117.09,72.96 117.7,72.96 117.9,73.16 117.9,74.14 118.49,74.72 v4(119.05,74.72)
  BOTTOM w0.132: v4(119.05,74.72) 119.22,74.89 U79.36
